# Altium PCB 小车PCB升级.PcbDoc (part 2 of 3)
Units mil, origin at the board's own origin, x right, y up, seen from the top; angles counter-clockwise.
Board outline 11811 x 8110.24 mil, 2 copper layers (Top Layer, Bottom Layer); 364 components, 360 nets, 1505 pads, 396 vias.
Unrouted connection lines stored in the file: 145.
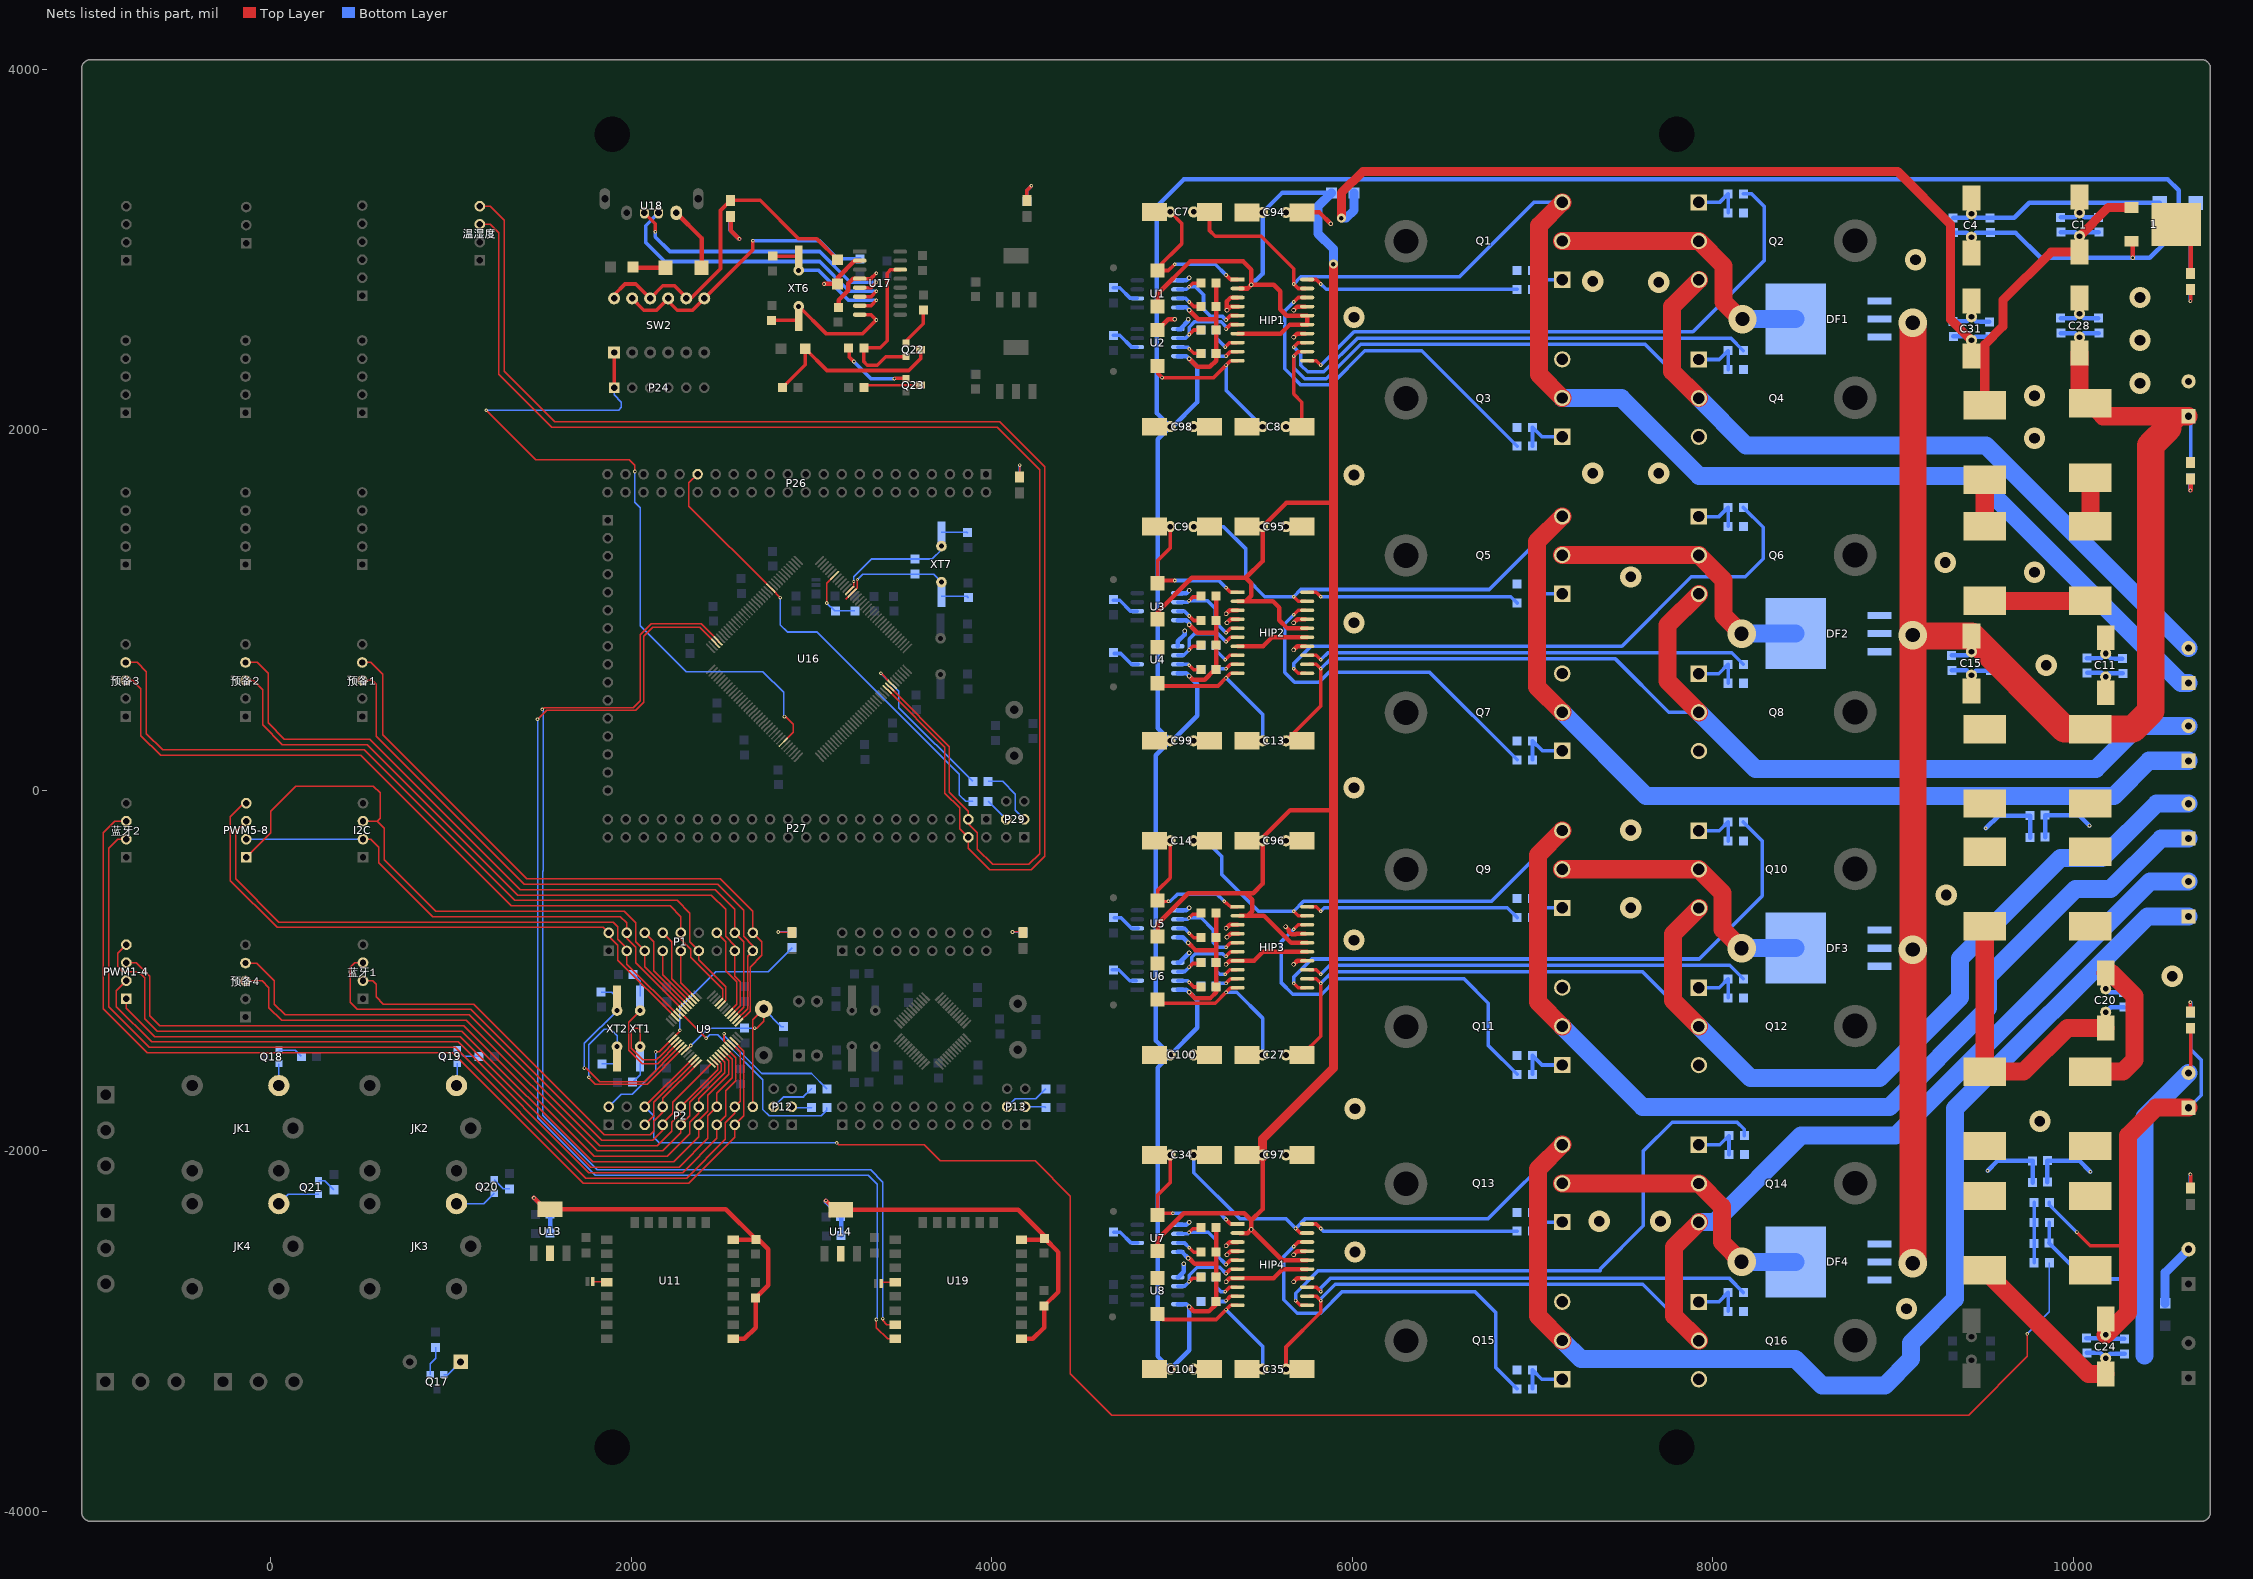
[diagram p2: the nets of this part, all layers, seen from the top]

## Via types
v1: diameter 20, hole 10, Top Layer to Bottom Layer, 240 vias
v2: diameter 25, hole 15, Top Layer to Bottom Layer, 83 vias
v3: diameter 118.11, hole 59.06, Top Layer to Bottom Layer, 29 vias
v4: diameter 30, hole 15, Top Layer to Bottom Layer, 20 vias
v5: diameter 157.48, hole 78.74, Top Layer to Bottom Layer, 8 vias
v6: diameter 236.22, hole 236.22, Top Layer to Bottom Layer, 8 vias
v7: diameter 16, hole 8, Top Layer to Bottom Layer, 3 vias
v8: diameter 50, hole 25, Top Layer to Bottom Layer, 2 vias
v9: diameter 78.74, hole 39.37, Top Layer to Bottom Layer, 1 vias
v10: diameter 15, hole 8, Top Layer to Bottom Layer, 1 vias
v11: diameter 15, hole 7, Top Layer to Bottom Layer, 1 vias

## Nets (pads, with @x,y where several pads share a name; then routed paths per layer and width w, separated by ;. In a path a pad name is that pad's centre, name@x,y a point inside that pad or via, vN(x,y) a via of type N, cw(c..) or ccw(c..) an arc to the next point about the centre after c; other vN are vias at no path point) (continued)
1WPA10: P24.1 SW2.1 U16.102 | length 4197.7
  Top Layer w8: v1(1195,2110) 1470,1835 1990,1835 2020,1805 v1(2020,1770) ; v1(2850,410) 2858.28,410 2900,368.28 2900,324.39 U16.102@2850.76,275.15
  Top Layer w20: P24.1@1905,2235 SW2.1@1905,2430
  Bottom Layer w8: v1(1195,2110) 1930,2110 1945,2125 1945,2155 1905,2195 P24.1@1905,2235 ; v1(2020,1770) 2020,1600 2050,1570 2050,915 2305,660 2730,660 2845,545 2845,415 v1(2850,410)
1WRXD: R93.1 SW2.7 SW2.9 SW2.11 | length 1584.9
  Top Layer w20: SW2.11@2005,2730 2070,2665 2140,2665 SW2.9@2205,2730 2205,2715 2255,2665 2340,2665 SW2.7@2405,2730 2675,3000 v1(2675,3050)
  Bottom Layer w20: v1(2675,3050) 3045,3050 3145.36,2949.64 R93.1@3270,2949.64
1WTXD: D10.1 LED11.2 SW2.8 SW2.10 SW2.12 | length 1929.7
  Top Layer w20: SW2.12@1905,2730 1905,2750 1965,2810 2025,2810 SW2.10@2105,2730 2175,2800 2240,2800 2305,2735 SW2.8@2305,2730 2330,2730 2495,2895 2495,3218 LED11.2@2551,3274 2716,3274 2930,3060 3030,3060 D10.1@3145,2945
2BOOT0: R76.2 U9.44 | length 1192.7
  Top Layer w10: U9.44@2271.17,-1230.93 2271.17,-1231.17 v1(2415,-1375)
  Bottom Layer w10: v1(2415,-1375) 2435,-1355 2480,-1355 2634,-1509 2634.56,-1509 2641,-1515.44 2641,-1516 2730,-1605 2730,-1770 2765,-1805 3055,-1805 3085,-1775 R76.2@3085,-1760
2BOOT1: R77.1 U9.20 | length 780.5
  Top Layer w10: v1(2515,-1350) 2515,-1390 2541.21,-1416.21 U9.20@2541.21,-1417.45
  Bottom Layer w10: v1(2515,-1350) 2515,-1360 2725,-1570 3000,-1570 R77.1@3085,-1655
2NRST: C51.1 key1.1 P2.18 R74.1 U9.7 | length 1290.8
  Top Layer w8: U9.7@2299.01,-1445.29 2299.71,-1445.29 v1(2330,-1415) ; P2.18@2675,-1755 2675,-1272.05 key1.1@2735,-1212.05 2735,-1280 2697,-1318 v1(2685,-1318)
  Bottom Layer w8: v1(2330,-1415) 2427,-1318 C51.1@2628,-1318 v1(2685,-1318) ; key1.1@2735,-1212.05 2832.95,-1310 R74.1@2845,-1310
2OSCIN: C48.2 U9.5 XT2.2 | length 1212.6
  Top Layer w8: v1(1740,-1540) 1750,-1540 1825,-1615 2073.62,-1615 U9.5@2271.17,-1417.45
  Bottom Layer w8: v1(1740,-1540) 1740,-1402 XT2.2@1921,-1221 1921,-1146 1893,-1118 C48.2@1833,-1118
2OSCOUT: C54.2 U9.6 XT2.1 | length 1236.6
  Top Layer w8: v1(1765,-1591.25) 1765,-1595 1799,-1629 2087.46,-1629 U9.6@2285.09,-1431.37
  Bottom Layer w8: v1(1765,-1591.25) 1765,-1410 1850,-1325 1885,-1325 1921,-1361 XT2.1@1921,-1421 1921,-1499 1903,-1517 C54.2@1837,-1517
2PA0: P2.6 R72.2 U9.10 | length 10114.1
  Top Layer w8: P2.6@2075,-1755 2075,-1752.81 U9.10@2340.77,-1487.04 ; v1(3140,-1955) 3150,-1965 3625,-1965 3715,-2055 4240,-2055 4435,-2250 4435,-3235 4665,-3465 9420,-3465 9745,-3140 v1(9745,-3015)
  Bottom Layer w8: P2.6@2075,-1755 2125,-1805 2125,-1925 2155,-1955 v1(3140,-1955) v1@3145,-1955 ; v1(9745,-3015) 9867.64,-2892.36 R72.2@9867.64,-2620
2PA1: P2.5 U9.11 | length 470.3
  Top Layer w8: P2.5@2075,-1855 2125,-1805 2125,-1730 2354.04,-1500.96 U9.11@2354.69,-1500.96
2PA2: P2.8 U9.12 蓝牙1.2 | length 2492.8
  Top Layer w8: 蓝牙1.2@511.67,-1055 565,-1055 585,-1075 585,-1145 625,-1185 1125,-1185 1850,-1910 2105,-1910 2125,-1890 2125,-1835 2175,-1785 P2.8@2175,-1755 2175,-1708.49 U9.12@2368.61,-1514.88
2PA3: P2.7 U9.13 蓝牙1.3 | length 2833.1
  Top Layer w8: 蓝牙1.3@511.67,-955 465,-955 440,-980 440,-1175 480,-1215 1110,-1215 1835,-1940 2120,-1940 2175,-1885 P2.7@2175,-1855 2175,-1845 2230,-1790 2230,-1728.66 U9.13@2443.77,-1514.88
2PA4: P2.10 U9.14 预备4.4 | length 3398.2
  Top Layer w8: 预备4.4@-140.24,-957.27 -77.73,-957.27 20,-1055 20,-1185 80,-1245 1100,-1245 1825,-1970 2145,-1970 2225,-1890 2225,-1840 2275,-1790 P2.10@2275,-1755 2480.22,-1549.78 2480.22,-1528.62 2480,-1528.62 2480,-1523.27 U9.14@2457.69,-1500.96
2PA5: P2.9 U9.15 预备4.3 | length 3429.5
  Top Layer w8: 预备4.3@-140,-1056.77 -48.23,-1056.77 -10,-1095 -10,-1205 60,-1275 1085,-1275 1810,-2000 2175,-2000 2275,-1900 P2.9@2275,-1855 2325,-1805 2325,-1730 2500,-1555 2500,-1515.43 U9.15@2471.61,-1487.04
2PA6: P2.12 PWM1-4.3 U9.16 | length 4278.9
  Top Layer w8: PWM1-4.3@-801.06,-955 -745,-955 -670,-1030 -670,-1250 -615,-1305 1070,-1305 1795,-2030 2200,-2030 2325,-1905 2325,-1840 2375,-1790 P2.12@2375,-1755 2375,-1710 2520,-1565 2520,-1507.59 U9.16@2485.53,-1473.12
2PA7: P2.11 PWM1-4.4 U9.17 | length 4550.4
  Top Layer w8: PWM1-4.4@-801.06,-855 -850,-903.94 -850,-975 -820,-1005 -735,-1005 -700,-1040 -700,-1265 -630,-1335 1060,-1335 1785,-2060 2235,-2060 2375,-1920 P2.11@2375,-1855 2375,-1830 2425,-1780 2425,-1690 2540,-1575 2540,-1499.75 U9.17@2499.45,-1459.21
2PA8: P1.14 U9.29 | length 504.6
  Top Layer w8: P1.14@2475,-790 2525,-840 2525,-1000 2585,-1060 2585,-1187.14 U9.29@2541.21,-1230.93
2PA11: P1.11 U9.32 预备3.4 | length 4510.8
  Top Layer w8: 预备3.4@-805.24,710.26 -740.26,710.26 -690,660 -690,315 -600,225 520,225 1355,-610 2255,-610 2325,-680 2325,-840 P1.11@2375,-890 2375,-940 2525,-1090 2525,-1163.62 U9.32@2499.45,-1189.17
2PA12: P1.10 U9.33 预备3.3 | length 4356.4
  Top Layer w8: 预备3.3@-805,610.76 -765.76,610.76 -720,565 -720,305 -610,195 500,195 1335,-640 2215,-640 2275,-700 P1.10@2275,-790 2275,-825 2330,-880 2330,-925 2508.06,-1103.06 2508.06,-1152.72 U9.33@2485.53,-1175.25
2PA15: P1.9 U9.38 | length 290.4
  Top Layer w8: P1.9@2275,-890 2275,-1067.72 U9.38@2354.69,-1147.41
2PB0: P2.14 PWM1-4.1 U9.18 | length 4271.2
  Top Layer w8: PWM1-4.1@-801.06,-1155 -801.06,-1208.94 -645,-1365 1050,-1365 1775,-2090 2265,-2090 2425,-1930 2425,-1805 P2.14@2475,-1755 2475,-1680 2560,-1595 2560,-1491.92 U9.18@2513.37,-1445.29
2PB1: P2.13 PWM1-4.2 U9.19 | length 4522
  Top Layer w8: PWM1-4.2@-801.06,-1055 -856.06,-1110 -856.06,-1198.94 -660,-1395 1040,-1395 1765,-2120 2285,-2120 2475,-1930 P2.13@2475,-1855 2525,-1805 2525,-1665 2580,-1610 2580,-1484.08 U9.19@2527.29,-1431.37
2PB3: P1.8 U9.39 | length 440
  Top Layer w8: P1.8@2175,-790 2225,-840 2225,-1045.56 U9.39@2340.77,-1161.33
2PB4: P1.7 U9.40 | length 348.1
  Top Layer w8: P1.7@2175,-890 2175,-1023.4 U9.40@2326.85,-1175.25
2PB5: P1.6 U9.41 | length 497.7
  Top Layer w8: P1.6@2075,-790 2125,-840 2125,-1001.24 U9.41@2312.93,-1189.17
2PB6: I2C.3 P1.5 PWM5-8.1 U9.42 | length 3587.6
  Top Layer w8: PWM5-8.1@-136.06,-370 -135,-370 0,-235 0,-115 139.23,24.23 569.76,24.23 606.99,-13.01 606.99,-153.01 590,-170 ; I2C.3@511.67,-170 590,-170 ; U9.42@2299.01,-1203.09 2075,-979.08 P1.5@2075,-890 2025,-840 2025,-735 1960,-670 915,-670 630,-385 630,-210 590,-170
2PB7: I2C.2 P1.4 PWM5-8.2 U9.43 | length 2963.9
  Top Layer w8: I2C.2@511.67,-270 555,-270 600,-315 600,-400 900,-700 1940,-700 1975,-735 P1.4@1975,-790 1975,-820 2025,-870 2025,-956.92 U9.43@2285.09,-1217.01
  Bottom Layer w8: PWM5-8.2@-136.06,-270 I2C.2@511.67,-270
2PB8: P1.3 PWM5-8.3 U9.45 | length 3201.6
  Top Layer w8: PWM5-8.3@-136.06,-170 -195,-228.94 -195,-490 45,-730 1900,-730 1925,-755 1925,-825 1975,-875 P1.3@1975,-890 1975,-962.59 U9.45@2257.25,-1244.85
2PB9: P1.2 PWM5-8.4 U9.46 | length 3316.5
  Top Layer w8: PWM5-8.4@-136.06,-70 -150,-70 -225,-145 -225,-500 35,-760 1845,-760 P1.2@1875,-790 1875,-809.8 1925,-859.8 1925,-940.43 U9.46@2243.33,-1258.77
2PB10: P2.16 U9.21 蓝牙2.2 | length 5491.1
  Top Layer w8: 蓝牙2.2@-801.06,-270 -850,-270 -900,-320 -900,-1200 -675,-1425 1022.43,-1425 1747.43,-2150 2307.57,-2150 2522.57,-1935 2522.57,-1842.43 2575,-1790 P2.16@2575,-1755 2605,-1725 2605,-1453.4 U9.21@2555.13,-1403.53
2PB11: P2.15 U9.22 蓝牙2.3 | length 5722.6
  Top Layer w8: 蓝牙2.3@-801.06,-170 -865,-170 -930,-235 -930,-1210 -685,-1455 1010,-1455 1735,-2180 2320,-2180 2575,-1925 P2.15@2575,-1855 2625,-1805 2625,-1445.56 U9.22@2569.05,-1389.61
2PB12: P1.18 U9.25 预备1.4 | length 3625.8
  Top Layer w8: 预备1.4@507.49,710.26 554.74,710.26 620,645 620,310 1420,-490 2495,-490 2675,-670 P1.18@2675,-790 2725,-840 2725,-915 2659,-981 2659,-1224.49 U9.25@2596.89,-1286.6
2PB13: P1.17 U9.26 预备1.3 | length 3482.1
  Top Layer w8: 预备1.3@507.73,610.76 564.24,610.76 585,590 585,300 1405,-520 2480,-520 2625,-665 2625,-810 2675,-860 P1.17@2675,-890 2645,-920 2645,-1210.65 U9.26@2582.97,-1272.69
2PB14: P1.16 U9.27 预备2.4 | length 4086.6
  Top Layer w8: 预备2.4@-140.24,710.26 -75.26,710.26 -15,650 -15,375 75,285 550,285 1385,-550 2465,-550 2575,-660 P1.16@2575,-790 2625,-840 2625,-1202.81 U9.27@2569.05,-1258.77
2PB15: P1.15 U9.28 预备2.3 | length 3944.4
  Top Layer w8: 预备2.3@-140,610.76 -95.76,610.76 -45,560 -45,365 65,255 535,255 1370,-580 2445,-580 2525,-660 2525,-810 2575,-860 P1.15@2575,-890 2575,-1030.2 2575.2,-1030.2 2605,-1060 2605,-1194.98 U9.28@2555.13,-1244.85
2PC13: P2.2 R69.2 U9.2 | length 1521.3
  Top Layer w8: v1(2135,-1450) 2155.1,-1450 U9.2@2229.41,-1375.69 2270,-1335.1 v1(2270,-1330)
  Bottom Layer w8: P2.2@1875,-1755 1945,-1685 2004.79,-1685 2135,-1554.79 v1(2135,-1450) ; v1(2270,-1330) 2270,-1205 2470,-1005 2760,-1005 R69.2@2892.94,-872.06
2PC14: C47.2 U9.3 XT1.1 | length 696.5
  Top Layer w8: XT1.1@2049,-1421 2049,-1329 2040,-1320 2015,-1320 2000,-1335 2000,-1430 2065,-1495 2138.39,-1495 2165.1,-1468.28 2165.1,-1467.84 U9.3@2243.33,-1389.61
  Bottom Layer w8: C47.2@2007,-1618 2049,-1576 XT1.1@2049,-1499
2PC15: C53.2 U9.4 XT1.2 | length 733.2
  Top Layer w8: XT1.2@2049,-1221 1985,-1285 1985,-1440 2060,-1515 2145.78,-1515 U9.4@2257.25,-1403.53
  Bottom Layer w8: C53.2@2010,-1020 2049,-1059 XT1.2@2049,-1142
+5V: C98.1 C99.1 C100.1 C101.1 FU1.2 R2.1 R3.1 R15.2 R19.1 R20.1 R22.1 R23.1 R35.1 R36.1 R38.1 R39.1 R51.1 R52.1 R54.1 R55.1 R67.1 R68.1 U1.8 U2.8 U3.8 U4.8 U5.8 U6.8 U7.8 U8.8 | length 18298
  Top Layer w25: v2(5090,-2595) 5095,-2595 5125,-2625 5245,-2625 ; v2(5090,-845) 5130,-885 5245,-885 ; v2(5095,-2865) 5120,-2890 5205,-2890 5245,-2850 R67.1@5245,-2834.91 R68.1@5245,-2698.31 5245,-2625 ; v2(5095,-1120) 5126.5,-1151.5 5213.5,-1151.5 5245,-1120 R51.1@5245,-1089.91 R52.1@5245,-953.31 5245,-885 ; v2(5095,635) 5115,615 5181.16,615 5236.16,670 R35.1@5245,670 R36.1@5245,806.63 5245,875 ; v2(5095,920) 5140,875 5245,875 ; v2(5095,2395) 5140,2350 5210,2350 5245,2385 R19.1@5245,2425 R20.1@5245,2554.97 5245,2615 ; v2(5095,2665) 5145,2615 5245,2615 ; R55.1@5245,-2425.1 R54.1@5245,-2561.7 5245,-2625 ; R39.1@5245,-680.1 R38.1@5245,-816.7 5245,-885 ; R23.1@5245,1079.9 R22.1@5245,943.27 5245,875 ; R3.1@5245,2814.9 R2.1@5245,2684.93 5245,2615
  Bottom Layer w25: U8.8@5032.5,-2850 5080,-2850 v2(5095,-2865) 5095,-3105 C101.1@4990,-3210 4920,-3140 4920,-1537.14 C100.1@4990,-1467.14 ; U7.8@5032.5,-2560 5055,-2560 v2(5090,-2595) ; U6.8@5032.5,-1105 5080,-1105 v2(5095,-1120) 5140,-1165 5140,-1317.14 C100.1@4990,-1467.14 ; U5.8@5032.5,-815 5060,-815 v2(5090,-845) ; U4.8@5032.5,650 5080,650 v2(5095,635) 5140,590 5140,415 5000.71,275.71 C99.1@4990,275.71 ; U3.8@5032.5,945 5078.79,945 5095,928.79 v2(5095,920) ; U2.8@5032.5,2410 5080,2410 v2(5095,2395) 5140,2350 5140,2155 5003.57,2018.57 C98.1@4990,2018.57 ; U1.8@5032.5,2680 5080,2680 v2(5095,2665) ; R15.2@10651,2870 10651,3134 FU1.2@10645,3140 10585,3200 10585,3330 10525,3390 5065,3390 4916.5,3241.5 4916.5,2092.07 C98.1@4990,2018.57 ; C100.1@4990,-1467.14 4910,-1387.14 4910,195.71 C99.1@4990,275.71 ; C99.1@4990,275.71 4920,345.71 4920,1948.57 C98.1@4990,2018.57
+12V: C10.2 C11.2 C12.2 C15.2 C16.2 C17.2 C28.2 C29.2 C30.2 DF1.1 DF1.3 DF2.1 DF2.3 DF3.1 DF3.3 DF4.1 DF4.3 H1.1 L1.1 L9.1 R14.2 | length 10315.1
  Top Layer w100: C28.2@10035,2427.17 10035,2207.66 L9.1@10095.22,2147.44 10166.36,2076.3 10591.3,2076.3 ; 10525,2010 10591.3,2076.3 ; H1.1@10640,2076.3 10591.3,2076.3
  Top Layer w150: v5(9110,-2622.86) v5(9110,-882.86) v5(9110,862.14) ; v5(9110,2595) v5(9110,862.14) ; 10525,2010 10430,1915 10430,440 10330,340 L1.1@10095.22,340 9952.83,340 C15.2@9435,857.83 9114.31,857.83 v5(9110,862.14)
  Bottom Layer w20: H1.1@10640,2076.3 10651,2065.3 R14.2@10651,1819
  Bottom Layer w25: C16.2@9325,749 9414.17,749 C15.2@9435,769.83 9457.83,747 C17.2@9538,747 ; C30.2@9932,2538 10012.17,2538 C28.2@10035,2515.17 10057.83,2538 C29.2@10142,2538 ; C12.2@10077,653 10157.17,653 C11.2@10180,630.17 10199.83,650 C10.2@10275,650
AH0: HIP1.11 R5.2 | length 3218.8
  Top Layer w20: HIP1.11@5760.83,2385 5800,2385 v1(5825,2360)
  Bottom Layer w20: v1(5825,2360) 6010,2545 7890,2545 8285,2940 8285,3240 8215,3310 R5.2@8170,3310
AH1: HIP2.11 R25.2 | length 3280.4
  Top Layer w20: v1(5675,674.91) 5700,649.91 HIP2.11@5739.17,649.91
  Bottom Layer w20: v1(5675,674.91) 5675,705 5771,801 7496,801 7880,1185 8180,1185 8280,1285 8280,1460 R25.2@8170,1570
AH2: HIP3.11 R41.2 | length 3349.4
  Top Layer w20: v1(5675,-1070) 5700,-1095 HIP3.11@5739.17,-1095
  Bottom Layer w20: v1(5675,-1070) 5675,-1035 5775,-935 7925,-935 8275,-585 8275,-280 R41.2@8170,-175
AH3: HIP4.11 R57.2 | length 3298.2
  Top Layer w20: v1(5685.83,-2830) 5710.83,-2855 HIP4.11@5750,-2855
  Bottom Layer w20: v1(5685.83,-2830) 5685.83,-2789.17 5810,-2665 7375,-2665 7375,-2655 7615,-2415 7615,-2000 7775,-1840 8135,-1840 8175,-1880 R57.2@8175,-1915
AHS0: C8.2 HIP1.12 M1.2 Q2.3 Q4.2 | length 7096.6
  Top Layer w20: C8.2@5720.47,2018.57 5720.47,2154.53 5675,2200 v1(5675,2410) 5700,2435 HIP1.12@5739.17,2435
  Top Layer w100: Q4.2@7923,2176.57 7775,2324.57 7775,2685.43 Q2.3@7923,2833.43
  Bottom Layer w20: v1(5675,2410) 5675,2345 5736,2284 5855.77,2284 6046.77,2475 7624.57,2475 Q4.2@7923,2176.57
  Bottom Layer w100: Q4.2@7923,2176.57 8184.57,1915 9515,1915 M1.2@10640,790
AHS1: C13.2 HIP2.12 M2.2 Q6.3 Q8.2 | length 6542.9
  Top Layer w20: C13.2@5632.47,275.71 5825,468.24 v1(5825,674.91) 5800,699.91 HIP2.12@5760.83,699.91
  Top Layer w100: Q8.2@7923,433.71 7750,606.71 7750,917.58 Q6.3@7923,1090.58
  Bottom Layer w20: v1(5825,674.91) 5880.09,730 7460,730 7756.29,433.71 Q8.2@7923,433.71
  Bottom Layer w100: Q8.2@7923,433.71 8236.71,120 10125,120 10363.33,358.33 M2.2@10640,358.33
AHS2: C27.2 HIP3.12 M3.2 Q10.3 Q12.2 | length 7132.8
  Top Layer w20: C27.2@5720.47,-1467.14 5825,-1362.62 v1(5825,-1070) 5800,-1045 HIP3.12@5760.83,-1045
  Top Layer w100: Q12.2@7923,-1309.14 7780,-1166.14 7780,-795.28 Q10.3@7923,-652.28
  Bottom Layer w20: v1(5825,-1070) 5890,-1005 7610,-1005 7914.14,-1309.14 Q12.2@7923,-1309.14
  Bottom Layer w100: Q12.2@7923,-1309.14 8208.86,-1595 8925,-1595 9372.5,-1147.5 9372.5,-932.5 9930,-375 10160,-375 10461.67,-73.33 M3.2@10640,-73.33
AHS3: C35.2 HIP4.12 M4.2 Q14.3 Q16.2 | length 7075.8
  Top Layer w20: C35.2@5632.47,-3210 5632.47,-3087.53 5825,-2895 v1(5825,-2830) 5800,-2805 HIP4.12@5760.83,-2805
  Top Layer w100: Q16.2@7923,-3052 7785,-2914 7785,-2533.14 Q14.3@7923,-2395.14
  Bottom Layer w20: v1(5825,-2830) 5825,-2820 5905,-2740 7611,-2740 Q16.2@7923,-3052
  Bottom Layer w100: Q14.3@7923,-2395.14 8009.86,-2395.14 8490,-1915 9015,-1915 10425,-505 M4.2@10640,-505
AL0: HIP1.13 R12.2 | length 2768.3
  Top Layer w20: v1(5675,2460) 5700,2485 HIP1.13@5739.17,2485
  Bottom Layer w20: v1(5675,2460) 5715,2420 5715,2360 5752.5,2322.5 5842.5,2322.5 6030,2510 8100,2510 R12.2@8170,2440
AL1: HIP2.13 R32.2 | length 2463.1
  Top Layer w20: HIP2.13@5760.83,749.91 5800,749.91 v1(5825,724.91)
  Bottom Layer w20: v1(5825,724.91) 5865.09,765 8105,765 R32.2@8170,700
AL2: HIP3.13 R48.2 | length 2471.3
  Top Layer w20: HIP3.13@5760.83,-995 5800,-995 v1(5825,-1020)
  Bottom Layer w20: v1(5825,-1020) 5875,-970 8095,-970 R48.2@8170,-1045
AL3: HIP4.13 R64.2 | length 2495.4
  Top Layer w20: HIP4.13@5760.83,-2755 5800,-2755 v1(5825,-2780)
  Bottom Layer w20: v1(5825,-2780) 5825,-2760 5880,-2705 8090,-2705 R64.2@8170,-2785
ALI1: HIP1.6 R20.2 U2.6 | length 502.1
  Top Layer w20: v1(5095.83,2529.97) 5120.83,2554.97 R20.2@5160,2554.97 ; v1(5300,2560) 5325,2585 HIP1.6@5364.17,2585
  Bottom Layer w20: U2.6@5032.5,2510 5075.86,2510 v1(5095.83,2529.97) 5095.83,2570.83 5125,2600 5273.23,2600 5300,2573.23 v1(5300,2560)
ALI2: HIP2.6 R36.2 U4.6 | length 518.7
  Top Layer w20: v1(5095,780.07) 5114.9,799.97 R36.2@5160,799.97 ; v1(5300,824.91) 5325,849.91 HIP2.6@5364.17,849.91
  Bottom Layer w20: U4.6@5032.5,750 5064.93,750 v1(5095,780.07) 5095,840 5124.91,869.91 5255,869.91 v1(5300,824.91)
ALI3: HIP3.6 R52.2 U6.6 | length 486.2
  Top Layer w20: v1(5095,-979.84) 5114.9,-959.94 R52.2@5160,-959.94 ; v1(5300,-920) 5325,-895 HIP3.6@5364.17,-895
  Bottom Layer w20: U6.6@5032.5,-1005 5069.84,-1005 v1(5095,-979.84) 5110,-964.84 5110,-925.31 5123.5,-911.81 5123.5,-911.5 5130,-905 5280,-905 5295,-920 v1(5300,-920)
ALI4: HIP4.6 R68.2 U8.6 | length 493.7
  Top Layer w20: v1(5095,-2724.84) 5095.46,-2724.84 5115.36,-2704.94 R68.2@5160,-2704.94 ; v1(5300,-2680) 5325,-2655 HIP4.6@5364.17,-2655
  Bottom Layer w20: U8.6@5032.5,-2750 5069.84,-2750 v1(5095,-2724.84) 5095,-2690 5140,-2645 5265,-2645 v1(5300,-2680)
BH0: HIP1.20 R4.1 | length 1177
  Top Layer w20: HIP1.20@5760.83,2835 5800,2835 v1(5825,2810)
  Bottom Layer w20: v1(5825,2810) 5855,2780 R4.1@6915,2780
BH1: HIP2.20 R24.1 | length 1179
  Top Layer w20: HIP2.20@5760.83,1099.91 5800,1099.91 v1(5825,1074.91)
  Bottom Layer w20: v1(5825,1074.91) 6880.09,1074.91 R24.1@6915,1040
BH2: HIP3.20 R40.1 | length 1195.6
  Top Layer w20: HIP3.20@5760.83,-645 5800,-645 v1(5825,-670)
  Bottom Layer w20: v1(5825,-670) 5845,-650 6860,-650 R40.1@6915,-705
BH3: HIP4.20 R56.1 | length 1170.7
  Top Layer w20: HIP4.20@5760.83,-2405 5800,-2405 v1(5825,-2430)
  Bottom Layer w20: v1(5825,-2430) 5840,-2445 R56.1@6915,-2445
BHS0: C7.2 HIP1.19 M1.1 Q1.3 Q3.2 | length 7818.7
  Top Layer w20: C7.2@5208,3210 5208,3107 5240,3075 5495,3075 5675,2895 v1(5675,2810) 5700,2785 HIP1.19@5739.17,2785
  Top Layer w100: Q3.2@7165,2177.39 7035,2307.39 7035,3133.39 Q1.3@7165,3263.39
  Bottom Layer w20: v1(5675,2810) 5715,2850 6595,2850 7008.39,3263.39 Q1.3@7165,3263.39
  Bottom Layer w100: Q3.2@7165,2177.39 7492.61,2177.39 7925,1745 9450,1745 10598.7,596.3 M1.1@10640,596.3
BHS1: C9.2 HIP2.19 M2.1 Q5.3 Q7.2 | length 7509.3
  Top Layer w20: v1(5675,1074.91) 5700,1049.91 HIP2.19@5739.17,1049.91
  Top Layer w100: Q7.2@7165,434.53 7025,574.53 7025,1380.53 Q5.3@7165,1520.53
  Bottom Layer w20: C9.2@5120,1463.96 5286.04,1463.96 5410,1340 5410,1180 5515.09,1074.91 v1(5675,1074.91) 5715.09,1115 6759.47,1115 Q5.3@7165,1520.53
  Bottom Layer w100: Q7.2@7165,434.53 7629.53,-30 10225,-30 10420,165 10639.63,165 M2.1@10640,164.63
BHS2: C14.2 HIP3.19 M3.1 Q9.3 Q11.2 | length 8102.2
  Top Layer w20: v1(5675,-670) 5700,-695 HIP3.19@5739.17,-695
  Top Layer w100: Q11.2@7165,-1308.32 7030,-1173.32 7030,-357.33 Q9.3@7165,-222.33
  Bottom Layer w20: C14.2@5120,-278.9 5188.9,-278.9 5275,-365 5275,-465 5480,-670 v1(5675,-670) 5730,-615 6772.33,-615 Q9.3@7165,-222.33
  Bottom Layer w100: Q11.2@7165,-1308.32 7611.68,-1755 8980,-1755 9527.5,-1207.5 9527.5,-1032.5 10012.5,-547.5 10207.5,-547.5 10487.97,-267.03 M3.1@10640,-267.03
BHS3: C34.2 HIP4.19 M4.1 Q13.3 Q15.2 | length 9062.8
  Top Layer w20: v1(5685.83,-2430) 5710.83,-2455 HIP4.19@5750,-2455
  Top Layer w100: Q15.2@7165,-3051.18 7030,-2916.18 7030,-2100.19 Q13.3@7165,-1965.19
  Bottom Layer w20: C34.2@5120,-2021.75 5120,-2120 5375,-2375 5630.83,-2375 v1(5685.83,-2430) 5740.83,-2375 6755.19,-2375 Q13.3@7165,-1965.19
  Bottom Layer w100: Q15.2@7165,-3051.18 7268.82,-3155 8460,-3155 8605,-3300 8955,-3300 9100,-3155 9100,-3065 9345,-2820 9345,-1765 10411.3,-698.7 M4.1@10640,-698.7
BL0: HIP1.18 R11.2 | length 2090.8